# Altium PCB ESP8266-Deskop_Power.PcbDoc (part 1 of 2) (continued)
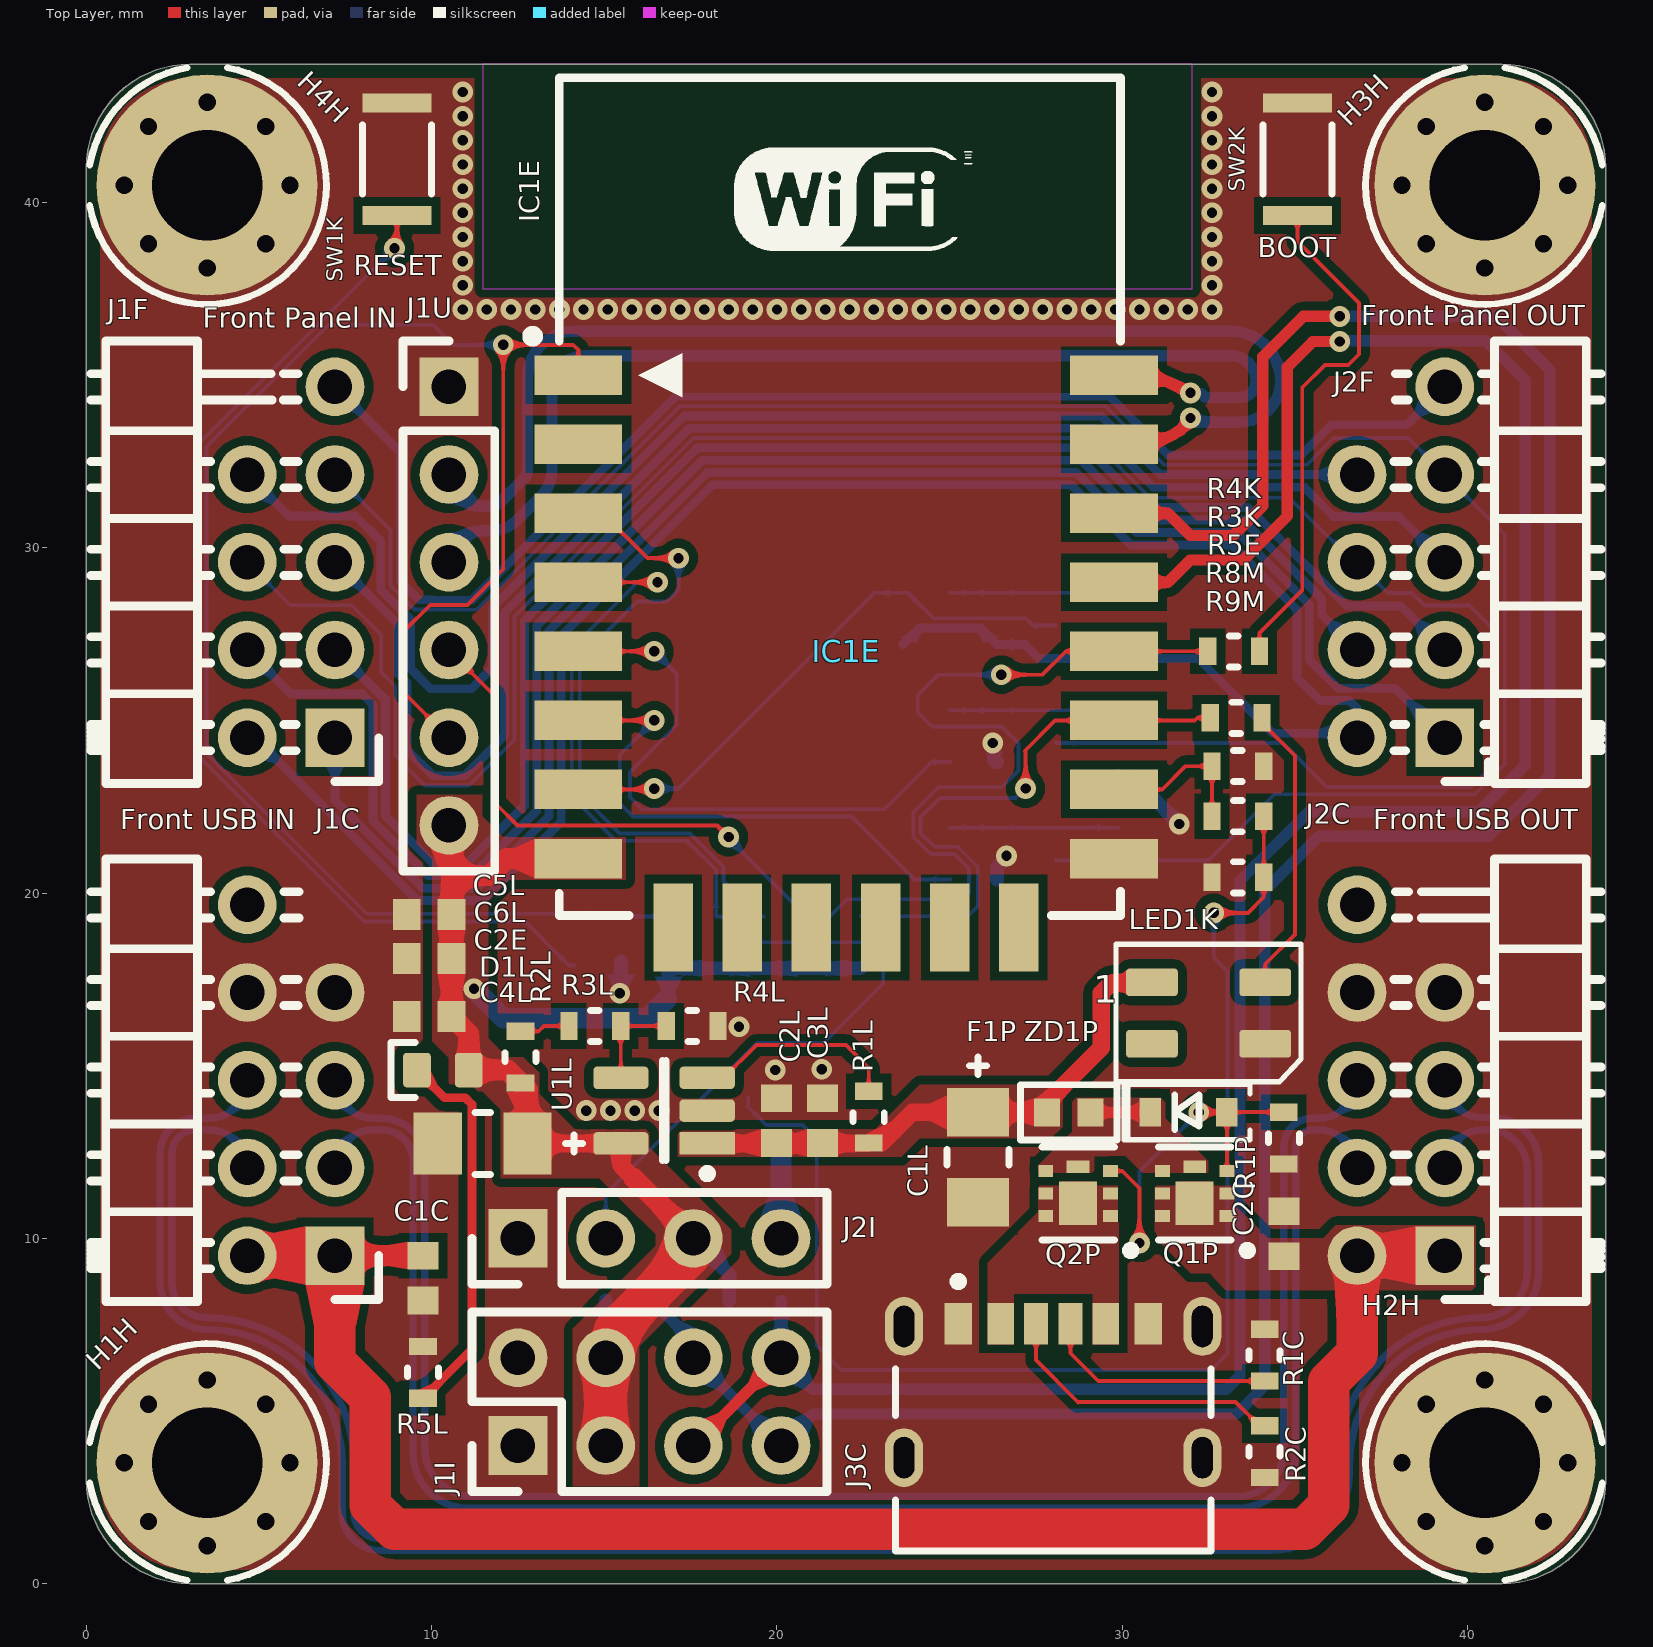
[diagram p0: Top Layer view]
## Components (designator, comment, footprint, x,y, rotation, side; value= is the part's Value field where it differs from the comment)
C1C "C1608X7R1A225K080AC" C0603-IPC_C_No_Silk 9.75,8.85 r270 top value=2.2uF
C1E "KGM15AR70J104KM" C0603-IPC_C_No_Silk 15.48,18.675 r270 bottom value=100nF
C1L "TCTAL1A476M8R" "CAP POL 1206_3216-MFG" 25.825,12.35 r270 top value=47uF
C2C "CL10A475KP8NNNC" C0603-IPC_C_No_Silk 34.682,10.133 r90 top value=4.7uF
C2E "KGM15AR70J104KM" C0603-IPC_C_No_Silk 9.925,16.425 r180 top value=100nF
C2L "GRM188R61A226ME15D" C0603-IPC_C_No_Silk 19.982,13.411 r90 top value=22uF
C3L "C0603C104K8RACTU" C0603-IPC_C_No_Silk 21.319,13.411 r90 top value=100nF
C4L "T491A476M006AT" "CAP POL 1206_3216-MFG" 11.475,12.75 r180 top value=47uF
C5L "GRM188R60J226MEA0D" C0603-IPC_C_No_Silk 9.925,19.375 r180 top value=22uF
C6L "GRM188R60J226MEA0D" C0603-IPC_C_No_Silk 9.925,18.1 r180 top value=22uF
D1L "YELLOW" LED_0603_YELLOW 10.325,14.875 r0 top
F1P "F0603" R0603-IPC_C 28.45,13.65 r180 top value=500mA
H1H "3.2 mm" MountingHole_3.2mm_M3_Pad_Via_Mask 3.5,3.5 r0 top locked
H2H "3.2 mm" MountingHole_3.2mm_M3_Pad_Via_Mask 40.5,3.5 r0 top locked
H3H "3.2 mm" MountingHole_3.2mm_M3_Pad_Via_Mask 40.5,40.5 r0 top locked
H4H "3.2 mm" MountingHole_3.2mm_M3_Pad_Via_Mask 3.5,40.5 r0 top locked
IC1E "ESP8266 ESP-12-F" "ESP8266 ESP-12-Large" 14,35 r0 top
J1C "2.54 Pitch" USB_Front_Pannel_2x05_P2.54mm_Horizontal_Right 7.2,9.5 r180 top
J1F "2X05" Front_Pannel_2x05_P2.54mm_Horizontal_Right 7.2,24.5 r180 top
J1I "2X04" PinHeader_2x04_P2.54mm_Vertical 12.5,4 r90 top
J1U "1x06" PinHeader_1x06_P2.54mm_Vertical_No_3D 10.5,34.66 r0 top
J2C "2.54 Pitch" USB_Front_Pannel_2x05_P2.54mm_Horizontal_Left 39.34,9.5 r180 top
J2F "2X05" Front_Pannel_2x05_P2.54mm_Horizontal_Left 39.34,24.5 r180 top
J2I "1x04" PinHeader_1x04_P2.54mm_Vertical 12.5,10 r90 top
J3C "217175-0001" USB-Type-C-6-Pin-SMT 28,4.5 r0 top
LED1K "WS2812B_3535" WS2812B-Mini_3535 32.5,16.525 r0 top
Q1M "BSS138NH6327" SOT-23-3-IPC_C 28.973,24.344 r180 bottom
Q1P "PMPB14XPZ" DFN2020MD-MFG 32.097,11.3 r180 top
Q2M "BSS138NH6327" SOT-23-3-IPC_C 28.973,20.944 r180 bottom
Q2P "PMPB14XPZ" DFN2020MD-MFG 28.722,11.3 r180 top
Q3M "BSS138NH6327" SOT-23-3-IPC_C 28.973,27.744 r180 bottom
Q4M "BSS138NH6327" SOT-23-3-IPC_C 20.12,13.161 r270 bottom
R1C "CRCW06035K10FKEA" R0603-MFG 34.122,6.622 r90 top value=5.1kR
R1E "RC0603FR-0710KL" R0603-MFG 19.621,18.575 r90 bottom value=10kR
R1I "RC0603FR-072K2L" R0603-MFG 15.79,8.2 r0 bottom value=2.2kR
R1K "RC0603FR-101KL" R0603-MFG 14.125,18.65 r270 bottom value=1kR
R1L "RC0603FR-0710KL" R0603-MFG 22.657,13.511 r90 top value=10kR
R1M "AC0603FR-07100RL" R0603-MFG 26.371,27.944 r270 bottom value=100R
R1P "AC0603FR-07100KL" R0603-MFG 34.682,12.906 r270 top value=100kR
R2C "CRCW06035K10FKEA" R0603-MFG 34.122,3.822 r270 top value=5.1kR
R2E "RC0603FR-0710KL" R0603-MFG 21.001,18.575 r90 bottom value=10kR
R2I "RC0603FR-072K2L" R0603-MFG 19.37,8.2 r0 bottom value=2.2kR
R2L "MCR03EZPFX1691" R0603-MFG 12.575,15.25 r90 top value=1.69kR
R2M "AC0603FR-07100RL" R0603-MFG 25.008,24.544 r270 bottom value=100R
R3E "RC0603FR-0710KL" R0603-MFG 22.428,18.577 r90 bottom value=10kR
R3I "AC0603FR-074K7L" R0603-MFG 18.24,18.575 r90 bottom value=4.7kR
R3K "AC0603FR-07100RL" R0603-MFG 33.3,25.075 r180 top value=100R
R3L "ERJ-3EKF3302V" R0603-MFG 14.725,16.15 r0 top value=33kR
R3M "AC0603FR-07100RL" R0603-MFG 25.008,21.144 r270 bottom value=100R
R4E "RC0603FR-0710KL" R0603-MFG 16.86,18.575 r90 bottom value=10kR
R4K "RC0603FR-101KL" R0603-MFG 33.225,27 r0 top value=1kR
R4L "CR0603-FX-2002ELF" R0603-MFG 17.543,16.15 r0 top value=20kR
R4M "RC0603FR-0710KL" R0603-MFG 23.646,27.944 r270 bottom value=10kR
R5E "RC0603FR-0710KL" R0603-MFG 33.35,23.675 r0 top value=10kR
R5L "MCR03EZPFX2491" R0603-MFG 9.75,6.12 r90 top value=2.49kR
R5M "RC0603FR-0710KL" R0603-MFG 26.371,24.544 r270 bottom value=10kR
R6M "RC0603FR-0710KL" R0603-MFG 26.371,21.144 r270 bottom value=10kR
R7M "RC0603FR-0710KL" R0603-MFG 25.008,27.944 r90 bottom value=10kR
R8M "AC0603FR-07100RL" R0603-MFG 33.35,22.225 r180 top value=100R
R9M "RC0603FR-0710KL" R0603-MFG 33.35,20.457 r180 top value=10kR
SW1K "EVP-AWED4A" "PANASONIC EVPAW" 9,41.25 r270 top
SW2K "EVP-AWED4A" "PANASONIC EVPAW" 35.075,41.25 r90 top
U1L "SGM2019-ADJYN5G/TR" TSOT-23-5-IPC-A 16.732,13.7 r180 top
ZD1P "MM3Z12VST1G" SOD-323 31.919,13.656 r180 top

## Footprints (in the part's own frame and the unit in brackets; to place one, negate y for a bottom-side part, rotate by r counter-clockwise, add the part's x,y. Pads: shape width x height; smd on the part's side, far side on the other; paste and mask are expansions set on the pad)
C0603-IPC_C_No_Silk [mm]
  rect 0.8x0.9 smd paste+0: 1(-0.65,0) 2(0.65,0)
  body extent -1.11,-0.55 1.11,0.55, height 0.25
"CAP POL 1206_3216-MFG" [mm]
  rect 1.4x1.8 smd paste+0 mask+0: 1(-1.3,0) 2(1.3,0)
  silkscreen extent -2.9,-0.9 0.23,0.9, body extent -2.1,-1 2.1,1, height 0.25
DFN2020MD-MFG [mm]
  rect 0.43x0.35 smd paste-1000 mask+0: 1-2-5-6-7(-0.935,0) 1-2-5-6-7(-0.935,0.65) 1-2-5-6-7(0.935,0) 1-2-5-6-7(0.935,0.65) 3(-0.935,-0.65) 4-8(0.935,-0.65)
  rect 1.1x1.25 smd paste-1000 mask+0: 1-2-5-6-7(0,0.285)
  rect 0.66x0.35 smd paste-1000 mask+0: 4-8(0,-0.775)
  silkscreen extent -1.65,-1.35 1.05,1.78, body extent -1.25,-1.15 1.25,1.15, height 0.25
"ESP8266 ESP-12-Large" [mm] "ESP8266 ESP-12-F"
  rect 2.54x1.143 smd: 1(0.25,0) 2(0.25,-2) 3(0.25,-4) 4(0.25,-6) 5(0.25,-8) 6(0.25,-10) 7(0.25,-12) 8(0.25,-14) 15(15.761,-14) 16(15.761,-12) 17(15.761,-10) 18(15.761,-8) 19(15.761,-6) 20(15.761,-4) 21(15.761,-2) 22(15.761,0)
  rect 1.143x2.54 smd: 9(3,-16) 10(5,-16) 11(7,-16) 12(9,-16) 13(11,-16) 14(13,-16)
  silkscreen extent -1.22,-15.65 15.95,8.61, body extent -0.18,-15.51 15.82,8.49
Front_Pannel_2x05_P2.54mm_Horizontal_Left [mm]
  rect 1.7x1.7 hole 1: 1(0,0)
  rrect100% 1.7x1.7 hole 1: 2(2.54,0) 3(0,-2.54) 4(2.54,-2.54) 5(0,-5.08) 6(2.54,-5.08) 7(0,-7.62) 8(2.54,-7.62) 9(0,-10.16)
  silkscreen extent -4.53,-11.49 1.48,1.33, body extent -10.05,-11.42 2.85,1.28, height 5.08
Front_Pannel_2x05_P2.54mm_Horizontal_Right [mm]
  rect 1.7x1.7 hole 1: 1(0,0)
  rrect100% 1.7x1.7 hole 1: 2(2.54,0) 3(0,-2.54) 4(2.54,-2.54) 5(0,-5.08) 6(2.54,-5.08) 7(0,-7.62) 8(2.54,-7.62) 9(0,-10.16)
  silkscreen extent -1.27,-11.49 7.07,1.33, body extent -0.31,-11.44 12.59,1.26, height 5.08
LED_0603_YELLOW [mm]
  rrect25% 0.8x1 smd: 1(-0.75,0) 2(0.75,0)
  silkscreen extent -1.5,-0.8 -0.8,0.8, body extent -0.8,-0.4 0.8,0.4, height 0.6
MountingHole_3.2mm_M3_Pad_Via_Mask [mm]
  round 1 hole 0.5 paste+0: 1(-2.4,0) 1(-1.697,-1.697) 1(-1.697,1.697) 1(0,-2.4) 1(0,2.4) 1(1.697,-1.697) 1(1.697,1.697) 1(2.4,0)
  round 6.4 hole 3.2 mask+0.102: 1(0,0)
  silkscreen extent -3.4,-3.4 3.45,3.45
"PANASONIC EVPAW" [mm]
  rect 0.55x2 smd: 1(-1.625,0) 2(1.625,0)
  silkscreen extent -1,-1 1,1, body extent -1.75,-1 1.75,1, height 0.58
PinHeader_1x04_P2.54mm_Vertical [mm]
  rect 1.7x1.7 hole 1: 1(0,0)
  rrect100% 1.7x1.7 hole 1: 2(0,-2.54) 3(0,-5.08) 4(0,-7.62)
  silkscreen extent -1.33,-8.95 1.33,1.33, body extent -1.27,-8.89 1.27,1.27, height 8.54
PinHeader_1x06_P2.54mm_Vertical_No_3D [mm]
  rect 1.7x1.7 hole 1: 1(0,0)
  rrect100% 1.7x1.7 hole 1: 2(0,-2.54) 3(0,-5.08) 4(0,-7.62) 5(0,-10.16) 6(0,-12.7)
  silkscreen extent -1.33,-14.03 1.33,1.33
PinHeader_2x04_P2.54mm_Vertical [mm]
  rect 1.7x1.7 hole 1: 1(0,0)
  rrect100% 1.7x1.7 hole 1: 2(2.54,0) 3(0,-2.54) 4(2.54,-2.54) 5(0,-5.08) 6(2.54,-5.08) 7(0,-7.62) 8(2.54,-7.62)
  silkscreen extent -1.33,-8.95 3.87,1.33, body extent -1.27,-8.89 3.81,1.27, height 8.54
R0603-IPC_C [mm]
  rect 0.758x0.812 smd paste+0: 1(-0.627,0) 2(0.627,0)
  silkscreen extent -1.4,-0.8 1.4,0.8, body extent -1.11,-0.55 1.11,0.55, height 0.25
R0603-MFG [mm]
  rect 0.5x0.8 smd paste+0: 1(-0.75,0) 2(0.75,0)
  silkscreen extent -0.13,-0.45 0.13,0.45, body extent -1.1,-0.55 1.1,0.55, height 0.25
SOD-323 [mm] "SOD, 2-Leads, Body 1.25x2.50mm, IPC Medium Density"
  rect 0.625x0.83 smd: 1(1.112,0) 2(-1.112,0)
  silkscreen extent -1.78,-0.8 1.86,0.8, body extent -1.36,-0.62 1.36,0.62, height 1.05
SOT-23-3-IPC_C [mm]
  rect 1.057x0.532 smd paste+0: 1(-0.901,0.95)
  rrect35% 1.057x0.532 smd paste+0: 2(-0.901,-0.95) 3(0.901,0)
  silkscreen extent -0.65,-1.45 0.65,1.45, body extent -1.21,-1.45 1.21,1.45, height 1.15
TSOT-23-5-IPC-A [mm] "SOT23, 5-Leads, Body 2.90x1.63mm, Pitch 0.95mm, IPC Low Density"
  rect 1.6x0.65 smd: 1(-1.25,0.95)
  rrect35% 1.6x0.65 smd: 2(-1.25,0) 3(-1.25,-0.95) 4(1.25,-0.95) 5(1.25,0.95)
  silkscreen extent -1.38,-1.45 0.05,1.95, body extent -1.55,-1.5 1.55,1.5, height 1.36
USB-Type-C-6-Pin-SMT [mm] "FP-217175-0001-MFG"
  rect 0.7x1.2 smd paste+0: A5(-0.5,3.03) B5(0.5,3.03)
  rect 0.76x1.2 smd paste+0: A9(1.52,3.03) B9(-1.52,3.03)
  rect 0.8x1.2 smd paste+0: A12(2.75,3.03) B12(-2.75,3.03)
  rrect100% 1.1x1.7 hole 1.2 slot 0.6 at 0 deg paste-2539.97: MH1(-4.32,-0.85) MH2(4.32,-0.85) MH3(-4.32,2.95) MH4(4.32,2.95)
  silkscreen extent -4.57,-3.55 4.57,4.37, body extent -4.97,-3.65 4.97,3.9, height 0.25
USB_Front_Pannel_2x05_P2.54mm_Horizontal_Left [mm]
  rect 1.7x1.7 hole 1: 1(0,0)
  rrect100% 1.7x1.7 hole 1: 2(2.54,0) 3(0,-2.54) 4(2.54,-2.54) 5(0,-5.08) 6(2.54,-5.08) 7(0,-7.62) 8(2.54,-7.62)
  round 1.7 hole 1: 10(2.54,-10.16)
  silkscreen extent -4.53,-11.49 1.48,1.33, body extent -10.05,-11.42 2.85,1.28, height 5.08
USB_Front_Pannel_2x05_P2.54mm_Horizontal_Right [mm]
  rect 1.7x1.7 hole 1: 1(0,0)
  rrect100% 1.7x1.7 hole 1: 2(2.54,0) 3(0,-2.54) 4(2.54,-2.54) 5(0,-5.08) 6(2.54,-5.08) 7(0,-7.62) 8(2.54,-7.62) 10(2.54,-10.16)
  silkscreen extent -1.27,-11.49 7.07,1.33, body extent -0.31,-11.44 12.59,1.26, height 5.08
WS2812B-Mini_3535 [mm]
  rrect25% 1.5x0.8 smd: 1(-1.64,0.89) 2(-1.64,-0.89) 3(1.64,-0.89) 4(1.64,0.89)
  silkscreen extent -2.68,-1.99 2.68,1.99, body extent -1.86,-1.84 1.82,1.62, height 1.9

## Part data
C1C: library part 2.2uF_10V, "Multilayer Ceramic Capacitor, 2.2 uF, 10 V, ± 10%, X7R, 0603 [1608 Metric]", Case Code (Imperial)=0603, Case Code (Metric)=1608, Dielectric=X7R, Dielectric Material=Ceramic, MANUFACTURER=TDK, Max Operating Temperature=125°C, Min Operating Temperature=-55°C, Package Quantity=4000, Supplier Part Number 1=ST60281773, Tolerance=10%, Voltage Rating=10V, Case/Package=0603, CATEGORY="Ceramic Capacitors", componentlink1description=https://datasheet.ciiva.com/24216/c1608x7r1a225k080ac-264808-24216485.pdf?src-supplier=Mouser, componentlink1url=https://datasheet.ciiva.com/24216/c1608x7r1a225k080ac-264808-24216485.pdf?src-supplier=Mouser, componentlink2description=https://datasheet.ciiva.com/22718/1796654-22718012.pdf?src-supplier=Element14, componentlink2url=https://datasheet.ciiva.com/22718/1796654-22718012.pdf?src-supplier=Element14, ComponentLink3Description=https://datasheet.ciiva.com/28451/1796654-28451240.pdf?src-supplier=Element14, ComponentLink3URL=https://datasheet.ciiva.com/28451/1796654-28451240.pdf?src-supplier=Element14, ComponentLink4Description=https://datasheet.ciiva.com/6290/tdkmlcccaprange-6290824.pdf?src-supplier=Digikey, ComponentLink4URL=https://datasheet.ciiva.com/6290/tdkmlcccaprange-6290824.pdf?src-supplier=Digikey, ComponentLink5Description=https://datasheet.ciiva.com/23802/1796654-23802775.pdf?src-supplier=Newark, ComponentLink5URL=https://datasheet.ciiva.com/23802/1796654-23802775.pdf?src-supplier=Newark, ComponentLink6Description=https://datasheet.ciiva.com/22725/1913358-22725529.pdf?src-supplier=Element14, ComponentLink6URL=https://datasheet.ciiva.com/22725/1913358-22725529.pdf?src-supplier=Element14, ComponentLink7Description=https://datasheet.ciiva.com/6290/tdkmlcccaprange-6290821.pdf?src-supplier=Digikey, ComponentLink7URL=https://datasheet.ciiva.com/6290/tdkmlcccaprange-6290821.pdf?src-supplier=Digikey, Construction=Flat, Depth=0.8mm, Height=0.8mm, Lead Free="Lead Free", Length=1.6mm, Manufacturer Part Number=C1608X7R1A225K080AC, Material=4241ConductorMaterial, Mounting Technology="Surface Mount", packaging="Tape and Reel", Pins=2NUMBER, Pricing 1="1=48, 50=24.44, 100=15.65, 300=9.79, 500=8.62, 1000=7.74, 4000=7.08, 5000=7.04 (JPY)", Reach SVHC Compliant=No, RoHS=Yes, RoHS Compliant=Yes, SERIES=C, Stock 1=4000, Supplier 1=CoreStaff, Termination=SMD/SMT, Voltage Rating (DC)=10V, Weight=7.1E-05oz, Width=0.8mm
C1E C2E: library part 100nF_6.3V, "Cap Cer 0.1UF 6.3V X7R 0603", MANUFACTURER="KYOCERA AVX", Package=0603, Supplier Part Number 1=478-KGM15AR70J104KMCT-ND, Voltage=6.3V, CATEGORY="Ceramic Capacitors", Manufacturer Part Number=KGM15AR70J104KM, Pricing 1="1=0.1, 10=0.032, 50=0.0186, 100=0.0144, 500=0.01082, 1000=0.0085, 2500=0.00772, 5000=0.00711 (USD)", Stock 1=117167, Supplier 1=Digikey, Tol=10%
C1L: library part 47uF_10V, "Surface Mount Tantalum Capacitor, 47 uF, 10 V, ± 20%, -55 °C, 125 °C, 1206 [3216-12 Metric]", Case Code (Imperial)=1206, Case Code (Metric)=3216, MANUFACTURER=Rohm, Max Operating Temperature=125°C, Min Operating Temperature=-55°C, Tolerance=20%, Voltage Rating=10V, Case/Package=1206, CATEGORY="Tantalum Capacitors", componentlink1description=https://datasheet.ciiva.com/258/tct-al-258880.pdf?src-supplier=Digikey, componentlink1url=https://datasheet.ciiva.com/258/tct-al-258880.pdf?src-supplier=Digikey, componentlink2description=https://datasheet.ciiva.com/258/tct-al-258881.pdf?src-supplier=Digikey, componentlink2url=https://datasheet.ciiva.com/258/tct-al-258881.pdf?src-supplier=Digikey, ComponentLink3Description=https://datasheet.ciiva.com/258/tct-al-258879.pdf?src-supplier=Digikey, ComponentLink3URL=https://datasheet.ciiva.com/258/tct-al-258879.pdf?src-supplier=Digikey, ComponentLink4Description=https://datasheet.ciiva.com/16394/tct-al-16394319.pdf?src-supplier=Future+Electronics, ComponentLink4URL=https://datasheet.ciiva.com/16394/tct-al-16394319.pdf?src-supplier=Future+Electronics, Construction=Flat, Depth=1.6mm, Features="General Purpose", Height=1.1mm, Lead Free="Lead Free", Length=3.2mm, Manufacturer Part Number=TCTAL1A476M8R, Mounting Technology="Surface Mount", packaging="Cut Tape", Pricing 1="1=0.82, 10=0.622 (USD)", Radiation Hardening=No, RoHS=Yes, RoHS Compliant=Yes, SERIES=TCT, Stock 1=250, Supplier 1=Ameya360, Supplier Part Number 1=TCTAL1A476M8R, Voltage Rating (DC)=10V
C2C: library part 4.7uF_10V, "Multilayer Ceramic Capacitor, 4.7 uF, 10 V, ± 10%, X5R, 0603 [1608 Metric]", Case Code (Imperial)=0603, Case Code (Metric)=1608, Dielectric=X5R, MANUFACTURER=Samsung, Max Operating Temperature=85°C, Min Operating Temperature=-55°C, Package Quantity=1, Tolerance=10%, Voltage Rating=10V, Case/Package=0603, CATEGORY="Ceramic Capacitors", Construction=Flat, Depth=0.8mm, Height=0.8mm, Length=1.6mm, Manufacturer Part Number=CL10A475KP8NNNC, Mounting Technology="Surface Mount", packaging="Tape and Reel", Pricing 1="4000=0.0042 (USD)", Radiation Hardening=No, RoHS=Yes, RoHS Compliant=Yes, SERIES=CL, Stock 1=412000, Supplier 1=Verical, Supplier Part Number 1=CL10A475KP8NNNC, Thickness=0.035inch, Voltage Rating (DC)=10V, Width=0.031inch
C2L: library part 22uF_10V, "Multilayer Ceramic Capacitor, 22 uF, 10 V, ± 20%, X5R, 0603 [1608 Metric]", Case Code (Imperial)=0603, Case Code (Metric)=1608, Dielectric=X5R, MANUFACTURER=Murata, Max Operating Temperature=85°C, Min Operating Temperature=-55°C, Package Quantity=4000, Supplier Part Number 1=81-GRM188R61A226ME5D, Tolerance=20%, Voltage Rating=10V, Case/Package=0603, CATEGORY="Ceramic Capacitors", componentlink1description=https://datasheet.ciiva.com/46444/1769893-46444975.pdf?src-supplier=Element14, componentlink1url=https://datasheet.ciiva.com/46444/1769893-46444975.pdf?src-supplier=Element14, Height=0.8mm, Lead Free=5697LeadFree, Length=1.6mm, Manufacturer Part Number=GRM188R61A226ME15D, Material=Ceramic, Mounting Technology="Surface Mount", packaging="Cut Tape", Pricing 1="1=0.2, 10=0.088, 50=0.088, 100=0.051, 1000=0.041, 10000=0.037 (USD)", Reach SVHC Compliant=No, RoHS=Yes, RoHS Compliant=Yes, SERIES=GRM, Stock 1=596743, Supplier 1=Mouser, Termination=SMD/SMT, Thickness=0.039inch, Voltage Rating (DC)=10V, Weight=0.000222oz, Width=0.8mm
C3L: library part 100nF_10V, "Multilayer Ceramic Capacitor, 0.1 uF, 10 V, ± 10%, X7R, 0603 [1608 Metric]", Case Code (Imperial)=0603, Case Code (Metric)=1608, Dielectric=X7R, Dielectric Material=Ceramic, MANUFACTURER=KEMET, Max Operating Temperature=125°C, Min Operating Temperature=-55°C, Package Quantity=1, Supplier Part Number 1=80-C0603C104K8R, Temperature Coefficient=30ppm/°C, Tolerance=10%, Voltage=10V, Case/Package=0603, CATEGORY="Ceramic Capacitors", componentlink1description=https://datasheet.ciiva.com/6093/1776114-6093269.pdf?src-supplier=Farnell, componentlink1url=https://datasheet.ciiva.com/6093/1776114-6093269.pdf?src-supplier=Farnell, componentlink2description=https://datasheet.ciiva.com/7823/kem-c1002-x7r-smd-7823989.pdf?src-supplier=Element14, componentlink2url=https://datasheet.ciiva.com/7823/kem-c1002-x7r-smd-7823989.pdf?src-supplier=Element14, ComponentLink3Description=https://datasheet.ciiva.com/22693/1851736-22693967.pdf?src-supplier=Element14, ComponentLink3URL=https://datasheet.ciiva.com/22693/1851736-22693967.pdf?src-supplier=Element14, ComponentLink4Description=https://datasheet.ciiva.com/14589/70095383-14589402.pdf?src-supplier=Allied+Electronics, ComponentLink4URL=https://datasheet.ciiva.com/14589/70095383-14589402.pdf?src-supplier=Allied+Electronics, ComponentLink5Description=https://datasheet.ciiva.com/14593/70095383-14593978.pdf?src-supplier=Allied+Electronics, ComponentLink5URL=https://datasheet.ciiva.com/14593/70095383-14593978.pdf?src-supplier=Allied+Electronics, ComponentLink6Description=https://datasheet.ciiva.com/5419/kem-c1002-x7r-smd-357932-5419657.pdf?src-supplier=Mouser, ComponentLink6URL=https://datasheet.ciiva.com/5419/kem-c1002-x7r-smd-357932-5419657.pdf?src-supplier=Mouser, ComponentLink7Description=https://datasheet.ciiva.com/18192/getdatasheetpartid-91529-18192711.pdf?src-supplier=Verical, ComponentLink7URL=https://datasheet.ciiva.com/18192/getdatasheetpartid-91529-18192711.pdf?src-supplier=Verical, Construction=Flat, Depth=0.8mm, Dissipation Factor=5%, Height=0.8mm, Lead Free=5697LeadFree, Lead Pitch=0.7mm, Length=1.6mm, Manufacturer Part Number=C0603C104K8RACTU, Material=4241ConductorMaterial, Mounting Technology="Surface Mount,PCB", packaging="Tape and Reel", Pins=2, Pricing 1="1=0.11, 10=0.075, 50=0.075, 100=0.036, 1000=0.021, 10000=0.017 (USD)", Radiation Hardening=No, Reach SVHC Compliant=No, RoHS=Yes, RoHS Compliant=Yes, SERIES=C, Stock 1=246409, Supplier 1=Mouser, Termination=SMD/SMT, Thickness=0.034inch, Voltage Rating=10V, Voltage Rating (DC)=10V, Width=0.031inch
C4L: library part 47uF_6.3V, "47uF Solid MnO2 Tantalum Electrolytic Capacitor; 6.3 V dc +/-20%; T491 Series", MANUFACTURER=KEMET, Supplier Part Number 1=80-T491A476M06, Voltage=6.3V, CATEGORY="Tantalum Capacitors", componentlink1description=https://datasheet.ciiva.com/18096/getdatasheetpartid-132583-18096186.pdf?src-supplier=Verical, componentlink1url=https://datasheet.ciiva.com/18096/getdatasheetpartid-132583-18096186.pdf?src-supplier=Verical, componentlink2description=https://datasheet.ciiva.com/258/kem-t2005-t491-258163.pdf?src-supplier=Digikey, componentlink2url=https://datasheet.ciiva.com/258/kem-t2005-t491-258163.pdf?src-supplier=Digikey, ComponentLink3Description=https://datasheet.ciiva.com/258/kem-t2005-t491-258164.pdf?src-supplier=Digikey, ComponentLink3URL=https://datasheet.ciiva.com/258/kem-t2005-t491-258164.pdf?src-supplier=Digikey, ComponentLink4Description=https://datasheet.ciiva.com/258/kem-t2005-t491-258165.pdf?src-supplier=Digikey, ComponentLink4URL=https://datasheet.ciiva.com/258/kem-t2005-t491-258165.pdf?src-supplier=Digikey, ComponentLink5Description=https://datasheet.ciiva.com/12883/kem-t2005-t491-12883464.pdf?src-supplier=Mouser, ComponentLink5URL=https://datasheet.ciiva.com/12883/kem-t2005-t491-12883464.pdf?src-supplier=Mouser, ComponentLink6Description=https://datasheet.ciiva.com/14103/t491serie-eng-tds-14103966.pdf?src-supplier=Distrelec, ComponentLink6URL=https://datasheet.ciiva.com/14103/t491serie-eng-tds-14103966.pdf?src-supplier=Distrelec, ComponentLink7Description=https://datasheet.ciiva.com/28561/kem-t2005-t491-28561180.pdf?src-supplier=Element14, ComponentLink7URL=https://datasheet.ciiva.com/28561/kem-t2005-t491-28561180.pdf?src-supplier=Element14, ComponentLink8Description=https://datasheet.ciiva.com/7851/1854511-7851173.pdf?src-supplier=Element14, ComponentLink8URL=https://datasheet.ciiva.com/7851/1854511-7851173.pdf?src-supplier=Element14, ComponentLink9Description=https://datasheet.ciiva.com/7851/1854511-7851174.pdf?src-supplier=Element14, ComponentLink9URL=https://datasheet.ciiva.com/7851/1854511-7851174.pdf?src-supplier=Element14, Manufacturer Part Number=T491A476M006AT, Pricing 1="1=0.58, 10=0.394, 50=0.394, 100=0.259, 1000=0.172, 10000=0.139 (USD)", RoHS=Yes, Size=1206, Stock 1=52790, Supplier 1=Mouser
C5L C6L: library part 22uF_6.3V, "Multilayer Ceramic Capacitor, 22 uF, 6.3 V, ± 20%, X5R, 0603 [1608 Metric]", Case Code (Imperial)=0603, Case Code (Metric)=1608, Dielectric=X5R, MANUFACTURER=Murata, Max Operating Temperature=85°C, Min Operating Temperature=-55°C, Package Quantity=1, Supplier Part Number 1=81-GRM188R60J226ME0D, Tolerance=20%, Voltage Rating=6.3V, Case/Package=0603, CATEGORY="Ceramic Capacitors", componentlink1description=https://datasheet.ciiva.com/29540/partnumbering-e-01-29540442.pdf?src-supplier=Digikey, componentlink1url=https://datasheet.ciiva.com/29540/partnumbering-e-01-29540442.pdf?src-supplier=Digikey, componentlink2description=https://datasheet.ciiva.com/29540/partnumbering-e-01-29540441.pdf?src-supplier=Digikey, componentlink2url=https://datasheet.ciiva.com/29540/partnumbering-e-01-29540441.pdf?src-supplier=Digikey, ComponentLink3Description=https://datasheet.ciiva.com/29540/partnumbering-e-01-29540443.pdf?src-supplier=Digikey, ComponentLink3URL=https://datasheet.ciiva.com/29540/partnumbering-e-01-29540443.pdf?src-supplier=Digikey, Height=0.8mm, Lead Free=5697LeadFree, Length=0.063inch, Manufacturer Part Number=GRM188R60J226MEA0D, Material=4241ConductorMaterial, Mounting Technology="Surface Mount", packaging="Tape and Reel", Pins=2NUMBER, Pricing 1="1=0.2, 10=0.078, 50=0.078, 100=0.045, 1000=0.04, 10000=0.033 (USD)", Reach SVHC Compliant=No, RoHS=Yes, RoHS Compliant=Yes, SERIES=GRM, Stock 1=856547, Supplier 1=Mouser, Termination=SMD/SMT, Thickness=0.039inch, Voltage Rating (DC)=6.3V, Weight=0.000222oz, Width=0.031inch
D1L: library part LED_0603_YELLOW, "LED 0603 YELLOW SMD"
F1P: library part FUSE_PPTC_0603, "Fuse PPTC SMD 0603"
H1H H2H H3H H4H: library part MountingHole_Pad_3.2mm, ki_description="Mounting Hole with connection", ki_fp_filters=MountingHole*Pad*, ki_keywords="mounting hole", Supplier=~
J1C J2C: library part USB_Front_Pannel_2x05_P2.54mm
J1F J2F: library part Front_Pannel_2x05_P2.54mm
J1I: library part I2C_2X04_P2.54mm
J1U: library part UART_1X06_P2.54mm_2
J2I: library part "PinHeader 1x04"
J3C: library part USB-Type-C-6-Pin-SMT, "Connector USB Type C Female 6Positions 0.5mm Right Angle SMT Embossed T/R - Tape and Reel", Manufacturer_Name=Molex, Mouser Part Number=538-217175-0001, Datasheet Link=https://www.molex.com/pdm_docs/sd/2171750001_sd.pdf, Geometry.Height=3.46mm, Manufacturer_Part_Number=217175-0001, Mouser Price/Stock=https://www.mouser.co.uk/ProductDetail/Molex/217175-0001?qs=DRkmTr78QARWJMiqNnldSg%3D%3D
LED1K: "4 PIN SMART LED / WS2812 BODY 3.5MM X 3.5MM", Package=None, Availability=Unavailable, MF="SparkFun Electronics", MP=WS2812B, price=None, SnapEDA_Link=https://www.snapeda.com/parts/WS2812B/Worldsemi/view-part/1038297/?ref=snap
Q1M Q2M Q3M Q4M: "Single N-Channel 60 V 3.5 Ohm 1 nC SIPMOS® Small Signal Mosfet - SOT-23", Case/Package=TO-236-3, Continuous Drain Current (ID)=230mA, Drain to Source Voltage (Vdss)=60V, Gate to Source Voltage (Vgs)=20V, Input Capacitance=41pF, MANUFACTURER=Infineon, Max Operating Temperature=150°C, Max Power Dissipation=360mW, Min Operating Temperature=-55°C, Package Quantity=3000, Supplier Part Number 1=726-BSS138NH6327, Threshold Voltage=1V, Voltage=50V, Fall Time=8.2ns, Height=1mm, Length=2.9mm, Manufacturer Part Number=BSS138NH6327, Mounting Technology="Surface Mount", packaging="Tape and Reel", Pins=3, Pricing 1="1=0.37, 10=0.281, 50=0.281, 100=0.159, 1000=0.081, 10000=0.056 (USD)", Rds On Max=3.5R, Reach SVHC Compliant=No, Rise Time=3ns, RoHS=Yes, RoHS Compliant=Yes, SERIES=SIPMOS®, Stock 1=795876, Supplier 1=Mouser, Turn-Off Delay Time=6.7ns, Turn-On Delay Time=2.3ns, Width=1.3mm
Q1P Q2P: MANUFACTURER=Nexperia, Supplier Part Number 1=4177131, Manufacturer Part Number=PMPB14XPZ, RoHS=No, Stock 1=3000, Supplier 1=Element14
R1C R2C: library part 5.1K, "SMD Chip Resistor, 5.1 kOhm, ± 1%, 100 mW, 0603 [1608 Metric], Thick Film, General Purpose", Case Code (Imperial)=0603, Case Code (Metric)=1608, MANUFACTURER=Vishay, Max Operating Temperature=155°C, Max Power Dissipation=100mW, Min Operating Temperature=-55°C, Package Quantity=5000, Resistance Tolerance=1%, Resistor Type="Thick Film", Supplier Part Number 1=71-CRCW0603-5.1K-E3, Temperature Coefficient=100ppm/°C, Voltage Rating=75V, Case/Package=0603, CATEGORY="Chip SMD Resistors", componentlink1description=https://datasheet.ciiva.com/11809/0900766b80d98afc-11809935.pdf?src-supplier=Rs, componentlink1url=https://datasheet.ciiva.com/11809/0900766b80d98afc-11809935.pdf?src-supplier=Rs, componentlink2description=https://datasheet.ciiva.com/7690/1720486-7690873.pdf?src-supplier=Element14, componentlink2url=https://datasheet.ciiva.com/7690/1720486-7690873.pdf?src-supplier=Element14, ComponentLink3Description=https://datasheet.ciiva.com/15159/getdatasheetpartid-32793-15159338.pdf?src-supplier=Verical, ComponentLink3URL=https://datasheet.ciiva.com/15159/getdatasheetpartid-32793-15159338.pdf?src-supplier=Verical, ComponentLink4Description=https://datasheet.ciiva.com/26314/fld-crcw-e3-data-en-26314742.pdf?src-supplier=Distrelec, ComponentLink4URL=https://datasheet.ciiva.com/26314/fld-crcw-e3-data-en-26314742.pdf?src-supplier=Distrelec, ComponentLink5Description=https://datasheet.ciiva.com/7690/1697337-7690728.pdf?src-supplier=Element14, ComponentLink5URL=https://datasheet.ciiva.com/7690/1697337-7690728.pdf?src-supplier=Element14, ComponentLink6Description=https://datasheet.ciiva.com/3257/dcrcwe3-3257758.pdf?src-supplier=Avnet, ComponentLink6URL=https://datasheet.ciiva.com/3257/dcrcwe3-3257758.pdf?src-supplier=Avnet, ComponentLink7Description=https://datasheet.ciiva.com/16226/dcrcwe3-16226862.pdf?src-supplier=Future+Electronics, ComponentLink7URL=https://datasheet.ciiva.com/16226/dcrcwe3-16226862.pdf?src-supplier=Future+Electronics, Construction=Rectangular, Contact Plating=Tin, Depth=0.85mm, Features="Automotive AEC-Q200", Height=0.45mm, Lead Free=5697LeadFree, Length=1.55mm, Manufacturer Part Number=CRCW06035K10FKEA, Military Standard=Not, Number of Terminations=2, packaging="Tape and Reel", Power Rating=100mW, Pricing 1="1=0.1, 10=0.034, 50=0.034, 100=0.014, 1000=0.008, 10000=0.004 (USD)", Radiation Hardening=No, Reach SVHC Compliant=Unknown, RoHS=Yes, RoHS Compliant=Yes, SERIES=CRCW, Stock 1=43654, Supplier 1=Mouser, Technology="THICK FILM", Termination=SMD/SMT, Tolerance=1%, Voltage Rating (DC)=75V, Weight=7.1E-05oz, Width=0.85mm
R1E R1L R2E R3E R4E R4M R5E R5M R6M R7M R9M: library part 10K, "SMD Chip Resistor, 10 kOhm, ± 1%, 100 mW, 0603 [1608 Metric], Thick Film, General Purpose", Case Code (Imperial)=0603, Case Code (Metric)=1608, MANUFACTURER=Yageo, Max Operating Temperature=155°C, Max Power Dissipation=100mW, Min Operating Temperature=-55°C, Resistance Tolerance=1%, Resistor Type="Thick Film", Supplier Part Number 1=4023214, Temperature Coefficient=100ppm/°C, Voltage Rating=75V, Voltage Rating (DC)=50V, Case/Package=0603, CATEGORY="Chip SMD Resistors", Construction=Rectangular, Depth=0.8mm, Features="Moisture Resistant", Height=0.45mm, Lead Free=5697LeadFree, Lead Pitch=0.3mm, Length=1.6mm, Manufacturer Part Number=RC0603FR-0710KL, Military Standard=Not, Number of Terminations=2, packaging="Tape and Reel", Pins=2, Power Rating=100mW, Pricing 1="5000=0.0015, 50000=0.0014, 150000=0.0014, 375000=0.0013, 1000000=0.0012 (USD)", Reach SVHC Compliant=No, RoHS=Yes, RoHS Compliant=Yes, SERIES=RC, Stock 1=44660000, Supplier 1="Future Electronics", Termination=SMD/SMT, Tolerance=1%, Weight=7.1E-05oz, Width=0.8mm
R1I R2I: library part 2.2K, "SMD Chip Resistor, 2.2 kOhm, ± 1%, 100 mW, 0603 [1608 Metric], Thick Film, General Purpose", Case Code (Imperial)=0603, Case Code (Metric)=1608, MANUFACTURER=Yageo, Max Operating Temperature=155°C, Max Power Dissipation=100mW, Min Operating Temperature=-55°C, Resistance Tolerance=1%, Resistor Type="Thick Film", Supplier Part Number 1=6372452, Temperature Coefficient=100ppm/°C, Voltage Rating=50V, Case/Package=0603, CATEGORY="Chip SMD Resistors", componentlink1description=https://datasheet.ciiva.com/2453/pyu-r-int-thick-7-2453943.pdf?src-supplier=Digikey, componentlink1url=https://datasheet.ciiva.com/2453/pyu-r-int-thick-7-2453943.pdf?src-supplier=Digikey, componentlink2description=https://datasheet.ciiva.com/2453/pyu-r-int-thick-7-2453944.pdf?src-supplier=Digikey, componentlink2url=https://datasheet.ciiva.com/2453/pyu-r-int-thick-7-2453944.pdf?src-supplier=Digikey, ComponentLink3Description=https://datasheet.ciiva.com/2453/pyu-r-int-thick-7-2453945.pdf?src-supplier=Digikey, ComponentLink3URL=https://datasheet.ciiva.com/2453/pyu-r-int-thick-7-2453945.pdf?src-supplier=Digikey, ComponentLink4Description=https://datasheet.ciiva.com/7660/1868787-7660791.pdf?src-supplier=Element14, ComponentLink4URL=https://datasheet.ciiva.com/7660/1868787-7660791.pdf?src-supplier=Element14, ComponentLink5Description=https://datasheet.ciiva.com/46394/443971-46394958.pdf?src-supplier=Element14, ComponentLink5URL=https://datasheet.ciiva.com/46394/443971-46394958.pdf?src-supplier=Element14, Features="Moisture Resistant", Lead Free="Lead Free", Manufacturer Part Number=RC0603FR-072K2L, Number of Terminations=2, packaging="Tape and Reel", Power Rating=100mW, Pricing 1="5000=0.0026, 75000=0.001, 100000=0.0024, 200000=0.001, 375000=0.0023, 500000=0.0009, 1250000=0.0022, 5000000=0.002 (USD)", Reach SVHC Compliant=Unknown, RoHS=Yes, RoHS Compliant=Yes, SERIES=RC, Stock 1=6755000, Supplier 1="Future Electronics", Tolerance=1%
R1K R4K: library part 1K, "SMD Chip Resistor, 1 kOhm, ± 1%, 100 mW, 0603 [1608 Metric], Thick Film, General Purpose", Case Code (Imperial)=0603, Case Code (Metric)=1608, MANUFACTURER=Yageo, Max Operating Temperature=155°C, Min Operating Temperature=-55°C, Power Rating=100mW, Resistance Tolerance=1%, Resistor Type="Thick Film", Temperature Coefficient=100ppm/°C, Voltage Rating=50V, Case/Package=0603, CATEGORY="Chip SMD Resistors", componentlink1description=https://datasheet.ciiva.com/7983/443971-7983659.pdf?src-supplier=Element14, componentlink1url=https://datasheet.ciiva.com/7983/443971-7983659.pdf?src-supplier=Element14, componentlink2description=https://datasheet.ciiva.com/12560/rc0603-272842-12560633.pdf?src-supplier=Mouser, componentlink2url=https://datasheet.ciiva.com/12560/rc0603-272842-12560633.pdf?src-supplier=Mouser, Contact Plating=Tin,Lead, Height=0.45mm, Length=1.6mm, Manufacturer Part Number=RC0603FR-101KL, packaging="Tape and Reel", Pins=2NUMBER, Pricing 1="1=0.0018 (USD)", Reach SVHC Compliant=Unknown, RoHS=Yes, RoHS Compliant=Yes, SERIES=RC, Stock 1=4, Supplier 1="Arrow Electronics", Supplier Part Number 1=RC0603FR-101KL, Termination=SMD/SMT, Tolerance=1%, Voltage Rating (DC)=50V, Width=0.8mm